# KiCad board maslab.kicad_pcb
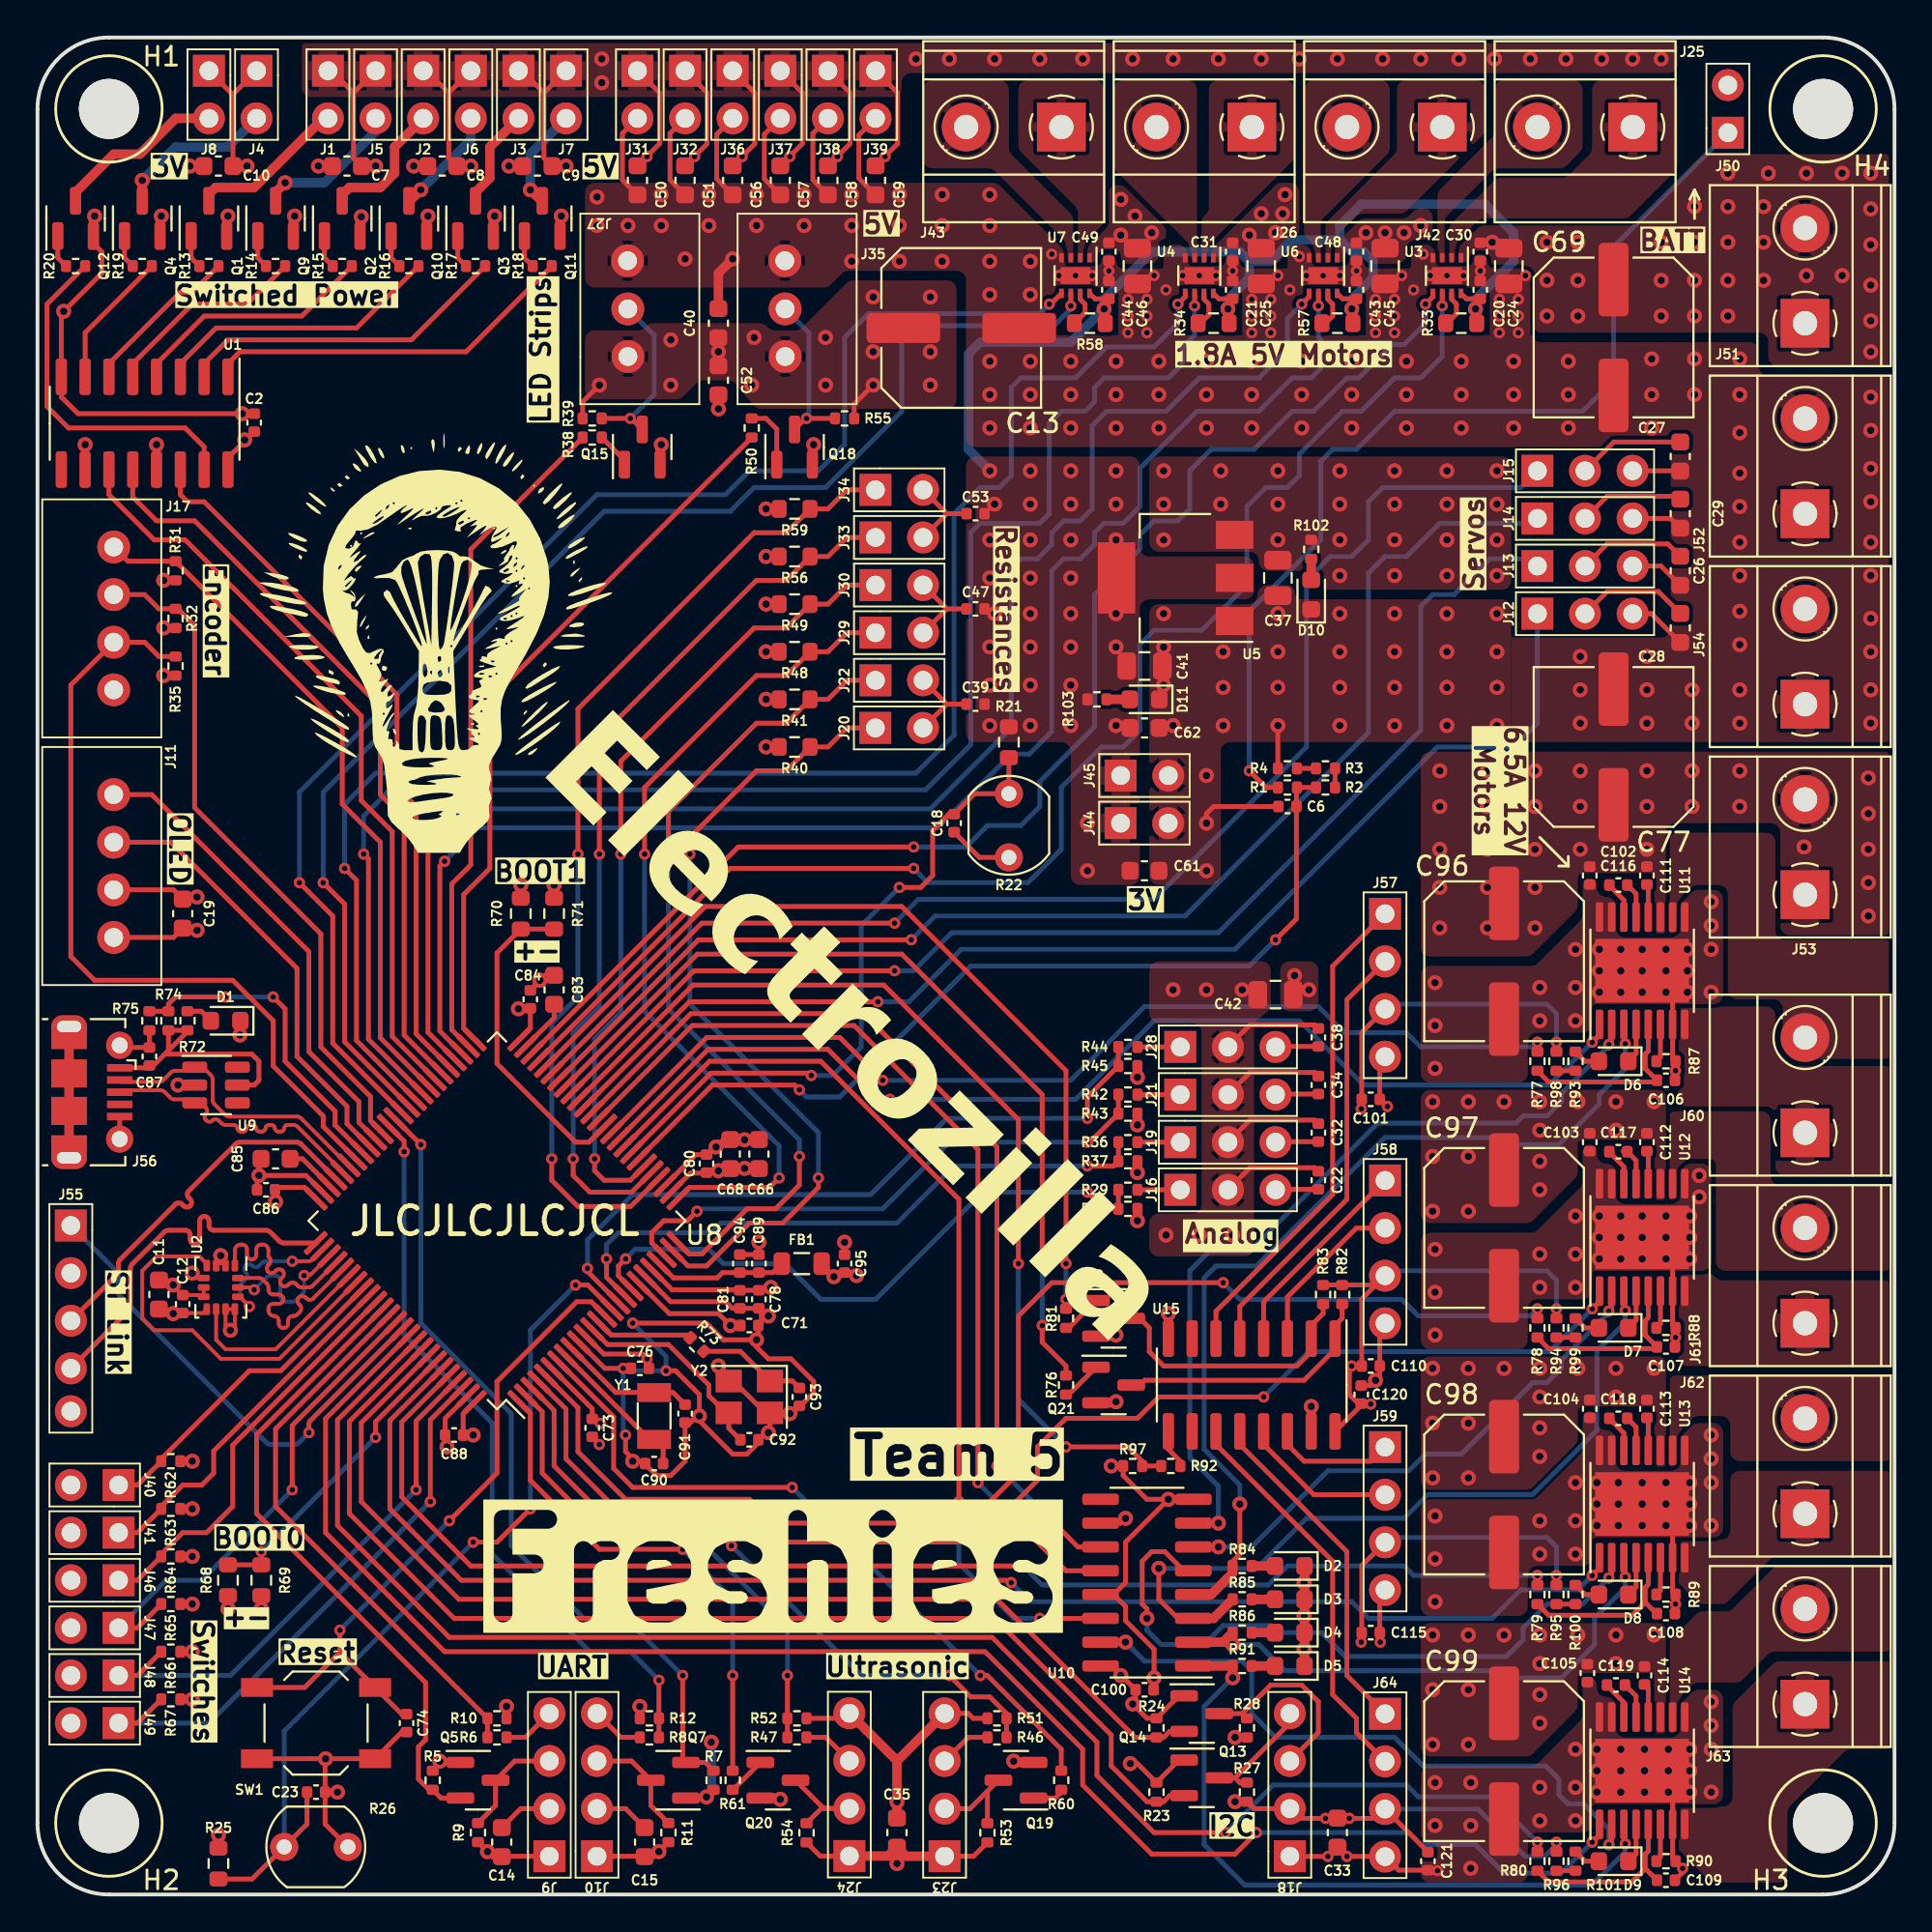
[diagram p0: board, top side]
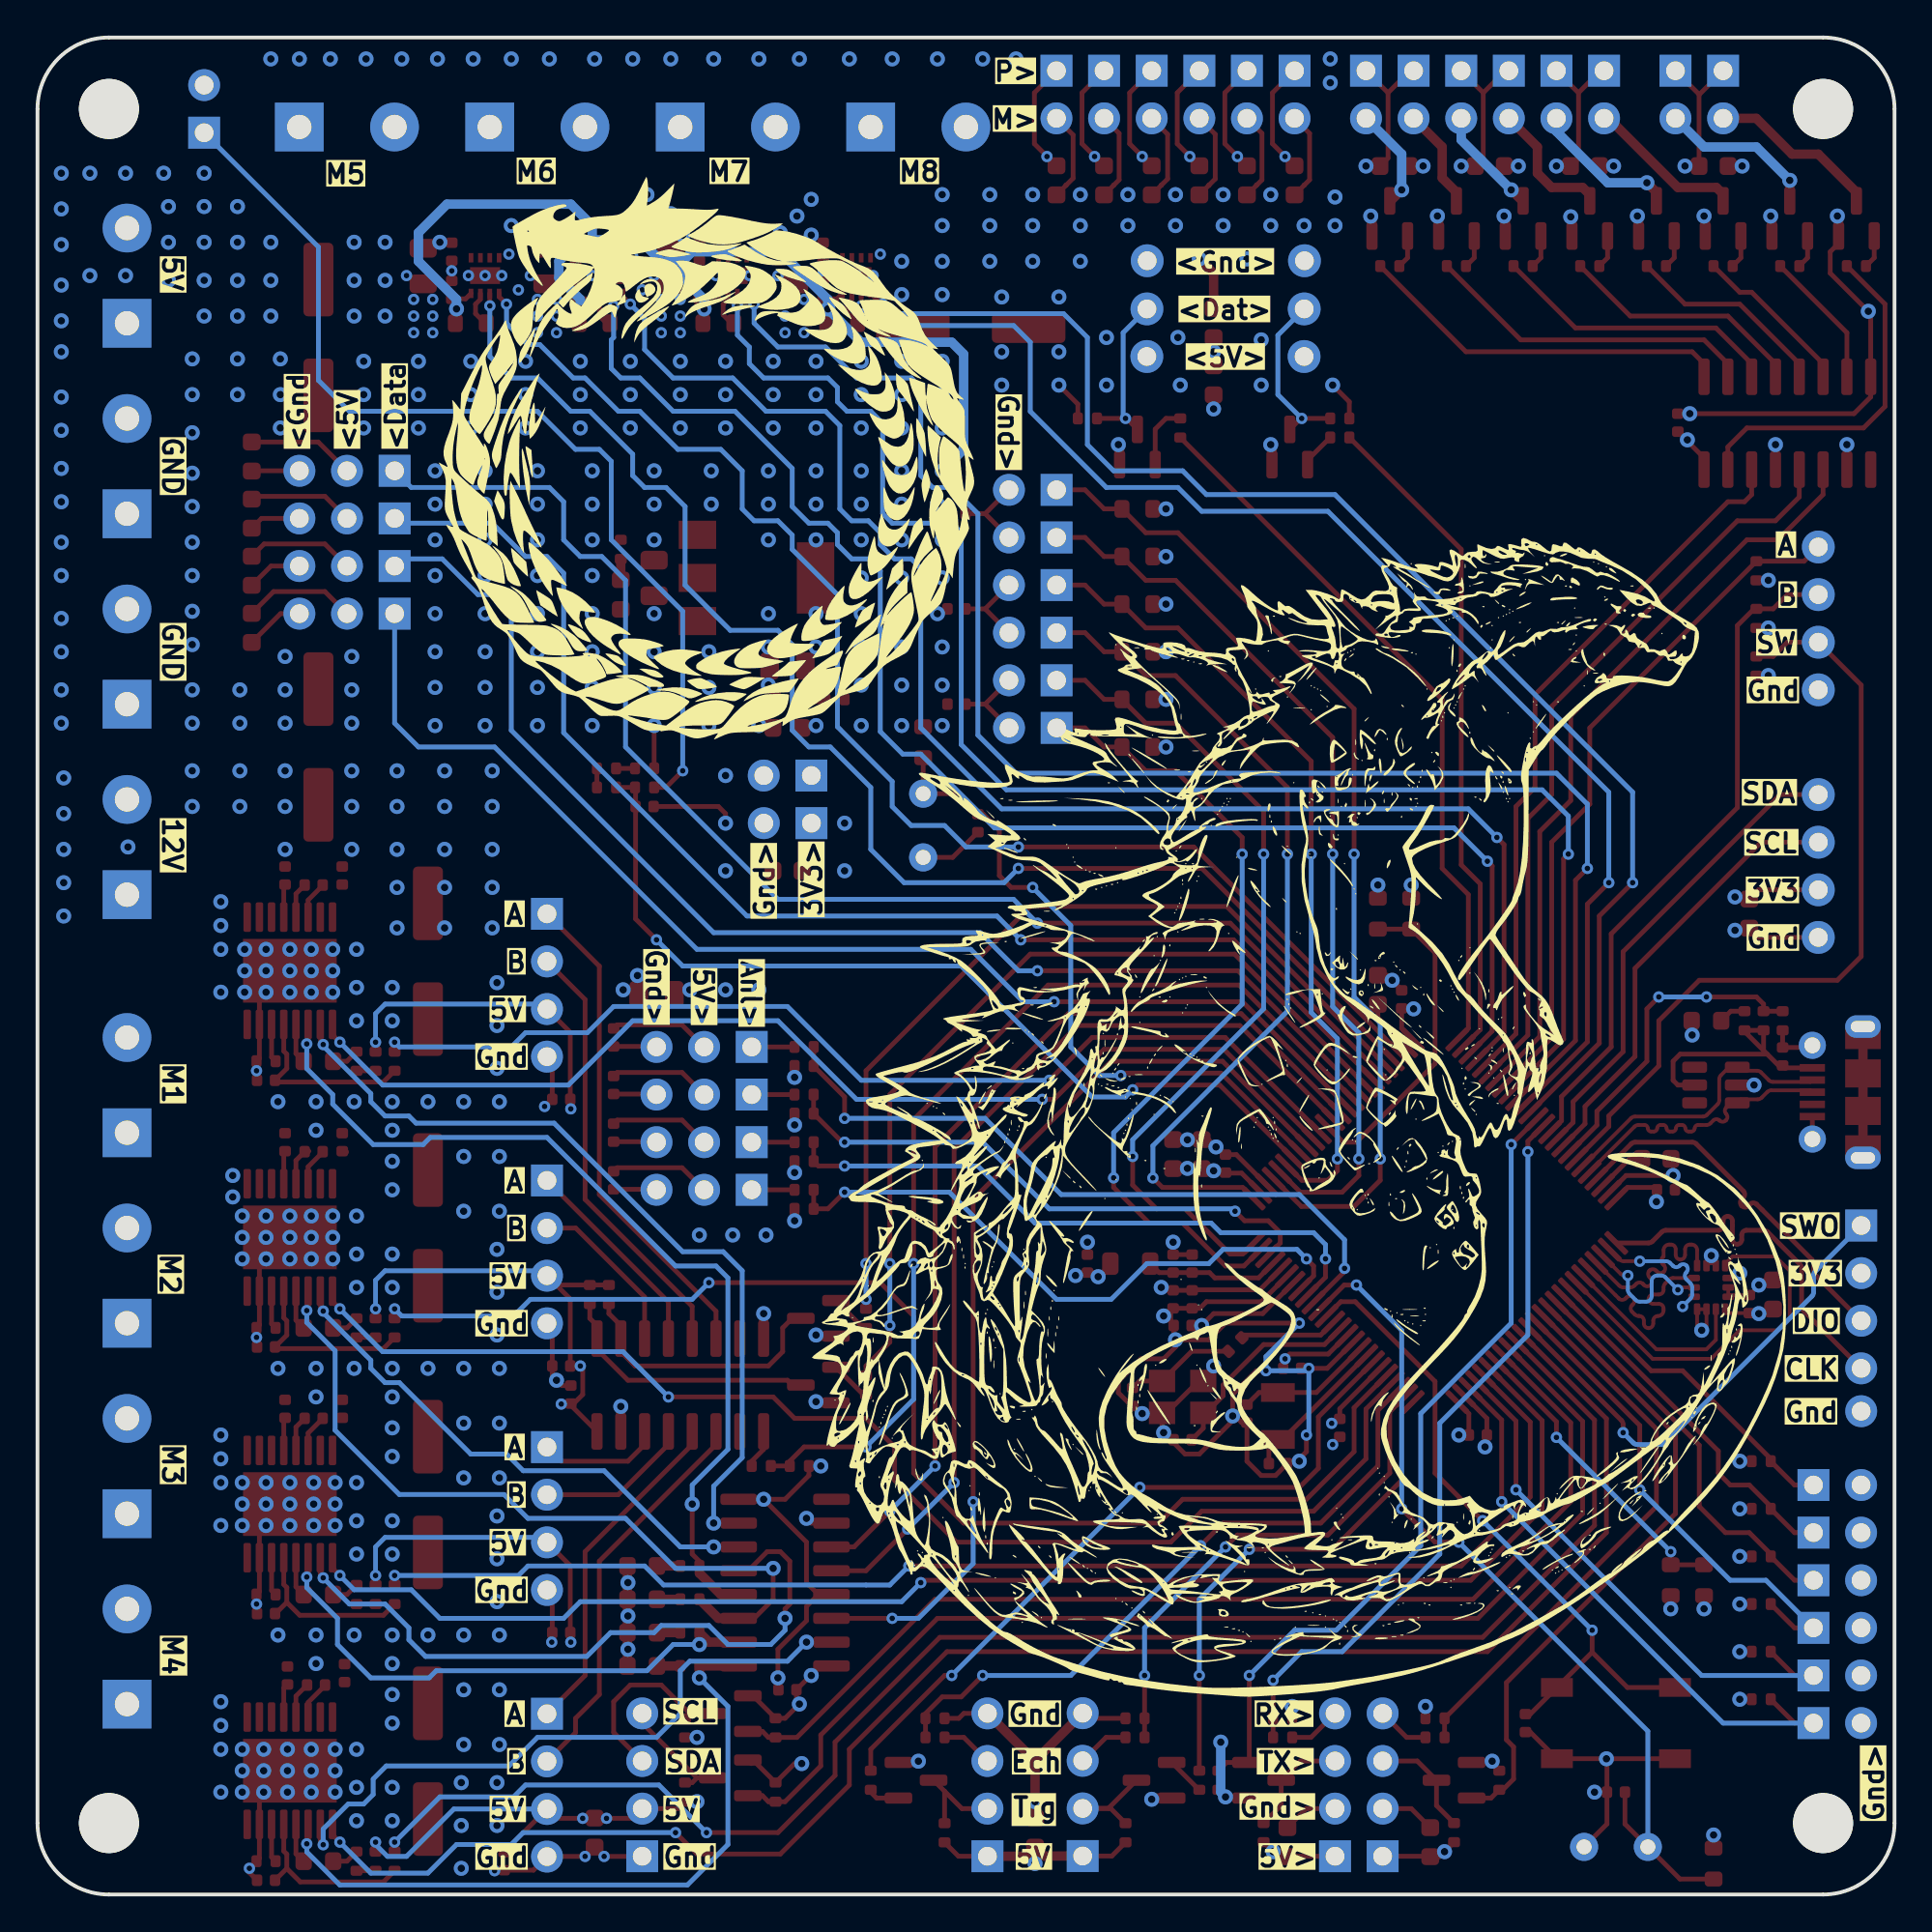
[diagram p1: board, bottom side, seen from below]

Outline 99.06 x 99.06 mm; copper layers: Top, In1.Cu (plane), In2.Cu (plane), Bottom. Coordinates in mm from the lower left corner of the outline.
Outline path: 0,95.25 arc(1.12,97.94) 3.81,99.06 95.25,99.06 arc(97.94,97.94) 99.06,95.25 99.06,3.81 arc(97.94,1.12) 95.25,0 3.81,0 arc(1.12,1.12) 0,3.81 0,95.25
Stack: Top 0.035mm / dielectric 0.2104mm FR4 er 4.4 / In1.Cu 0.0152mm / dielectric 1.065mm FR4 er 4.6 / In2.Cu 0.0152mm / dielectric 0.2104mm FR4 er 4.4 / Bottom 0.035mm

## Placement (name value [footprint] x y rotation side)
C2  100n  [C_0402_1005Metric]  11.56 78.51 90 top
C6  4.7n  [C_0402_1005Metric]  66.67 58.04 180 top
C7  2.2u  [C_0603_1608Metric]  16.51 92.2 180 top
C8  2.2u  [C_0603_1608Metric]  21.59 92.2 180 top
C9  2.2u  [C_0603_1608Metric]  26.67 92.2 180 top
C10  2.2u  [C_0603_1608Metric]  9.65 92.2 180 top
C11  2.2u  [C_0603_1608Metric]  6.48 32 90 top
C12  100n  [C_0402_1005Metric]  7.75 31.5 90 top
C13  100u  [C_Elec_8x6.2]  49.28 83.57 0 top
C14  2.2u  [C_0603_1608Metric]  24.76 2.79 90 top
C15  2.2u  [C_0603_1608Metric]  32.38 2.79 90 top
C18  4.7n  [C_0402_1005Metric]  48.9 57.15 270 top
C19  2.2u  [C_0603_1608Metric]  7.75 52.32 270 top
C20  100n  [C_0402_1005Metric]  76.96 85.6 90 top
C21  100n  [C_0402_1005Metric]  63.75 85.6 90 top
C22  100n  [C_0402_1005Metric]  68.33 38.1 270 top
C23  4.7n  [C_0402_1005Metric]  14.86 5.46 0 top
C24  22u  [C_0805_2012Metric]  78.49 86.87 270 top
C25  22u  [C_0805_2012Metric]  65.28 86.87 270 top
C26  2.2u  [C_0603_1608Metric]  87.63 70.61 270 top
C27  2.2u  [C_0603_1608Metric]  87.63 76.71 270 top
C28  2.2u  [C_0603_1608Metric]  87.63 67.56 270 top
C29  2.2u  [C_0603_1608Metric]  87.63 73.66 270 top
C30  100n  [C_0402_1005Metric]  76.96 87.63 270 top
C31  100n  [C_0402_1005Metric]  63.75 87.63 270 top
C32  100n  [C_0402_1005Metric]  68.33 40.64 270 top
C33  2.2u  [C_0603_1608Metric]  69.34 3.3 270 top
C34  100n  [C_0402_1005Metric]  68.33 43.18 270 top
C35  2.2u  [C_0603_1608Metric]  45.85 3.3 90 top
C37  22u  [C_0805_2012Metric]  66.17 70.23 270 top
C38  100n  [C_0402_1005Metric]  68.33 45.72 270 top
C39  4.7n  [C_0402_1005Metric]  50.04 63.5 180 top
C40  2.2u  [C_0603_1608Metric]  36.32 83.82 90 top
C41  22u  [C_0805_2012Metric]  59.06 65.53 0 top
C42  22u  [C_0805_2012Metric]  66.04 48.01 0 top
C43  100n  [C_0402_1005Metric]  70.36 85.6 90 top
C44  100n  [C_0402_1005Metric]  57.15 85.6 90 top
C45  22u  [C_0805_2012Metric]  71.88 86.87 270 top
C46  22u  [C_0805_2012Metric]  58.67 86.87 270 top
C47  4.7n  [C_0402_1005Metric]  50.04 68.58 180 top
C48  100n  [C_0402_1005Metric]  70.36 87.63 270 top
C49  100n  [C_0402_1005Metric]  57.15 87.63 270 top
C50  2.2u  [C_0603_1608Metric]  32 91.44 270 top
C51  2.2u  [C_0603_1608Metric]  34.54 91.44 270 top
C52  2.2u  [C_0603_1608Metric]  36.32 80.77 270 top
C53  4.7n  [C_0402_1005Metric]  50.04 73.66 180 top
C56  2.2u  [C_0603_1608Metric]  37.08 91.44 270 top
C57  2.2u  [C_0603_1608Metric]  39.62 91.44 270 top
C58  2.2u  [C_0603_1608Metric]  42.16 91.44 270 top
C59  2.2u  [C_0603_1608Metric]  44.7 91.44 270 top
C61  2.2u  [C_0603_1608Metric]  59.05 54.61 0 top
C62  2.2u  [C_0603_1608Metric]  59.06 62.23 0 top
C66  2.2u  [C_0603_1608Metric]  38.48 39.5 270 top
C68  2.2u  [C_0603_1608Metric]  36.96 39.5 270 top
C69  100u  [C_Elec_8x6.2]  84.07 83.06 270 top
C71  100n  [C_0402_1005Metric]  37.97 30.35 0 top
C73  100n  [C_0402_1005Metric]  29.59 24.89 270 top
C74  100n  [C_0402_1005Metric]  19.69 9.14 270 top
C76  100n  [C_0402_1005Metric]  32.13 28.07 180 top
C77  100u  [C_Elec_8x6.2]  84.07 61.21 90 top
C78  1u  [C_0402_1005Metric]  38.48 31.75 270 top
C80  100n  [C_0402_1005Metric]  35.69 38.99 270 top
C81  100n  [C_0402_1005Metric]  37.47 31.75 270 top
C83  2.2u  [C_0603_1608Metric]  27.56 48.26 90 top
C84  100n  [C_0402_1005Metric]  26.29 47.75 90 top
C85  2.2u  [C_0603_1608Metric]  12.7 39.24 180 top
C86  100n  [C_0402_1005Metric]  12.19 37.59 180 top
C87  1u  [C_0402_1005Metric]  5.97 44.7 90 top
C88  100n  [C_0402_1005Metric]  22.22 24.51 180 top
C89  100n  [C_0402_1005Metric]  38.48 33.66 90 top
C90  15p  [C_0402_1005Metric]  32.89 22.99 0 top
C91  15p  [C_0402_1005Metric]  34.54 25.65 90 top
C92  10p  [C_0402_1005Metric]  37.97 24.26 180 top
C93  10p  [C_0402_1005Metric]  40.64 26.54 90 top
C94  1u  [C_0402_1005Metric]  37.47 33.66 90 top
C95  1u  [C_0402_1005Metric]  43.05 33.66 90 top
C96  100u  [C_Elec_8x6.2]  78.23 49.78 270 top
C97  100u  [C_Elec_8x6.2]  78.23 35.56 270 top
C98  100u  [C_Elec_8x6.2]  78.23 21.34 270 top
C99  100u  [C_Elec_8x6.2]  78.23 7.11 270 top
C100  100n  [C_0402_1005Metric]  59.06 10.92 0 top
C101  100n  [C_0402_1005Metric]  71.12 42.42 0 top
C102  100n  [C_0402_1005Metric]  82.8 54.36 270 top
C103  100n  [C_0402_1005Metric]  82.8 40.13 270 top
C104  100n  [C_0402_1005Metric]  82.8 25.91 270 top
C105  100n  [C_0402_1005Metric]  82.68 11.81 270 top
C106  1u  [C_0402_1005Metric]  86.87 43.43 0 top
C107  1u  [C_0402_1005Metric]  86.87 29.21 0 top
C108  1u  [C_0402_1005Metric]  86.87 14.99 0 top
C109  1u  [C_0402_1005Metric]  86.87 0.76 0 top
C110  100n  [C_0402_1005Metric]  71.12 28.19 0 top
C111  100n  [C_0402_1005Metric]  85.85 54.36 270 top
C112  100n  [C_0402_1005Metric]  85.85 40.13 270 top
C113  100n  [C_0402_1005Metric]  85.85 25.91 270 top
C114  100n  [C_0402_1005Metric]  85.72 11.68 270 top
C115  100n  [C_0402_1005Metric]  71.12 13.97 0 top
C116  22n  [C_0402_1005Metric]  84.33 53.85 0 top
C117  22n  [C_0402_1005Metric]  84.33 39.62 0 top
C118  22n  [C_0402_1005Metric]  84.33 25.4 0 top
C119  22n  [C_0402_1005Metric]  84.2 11.18 0 top
C120  100n  [C_0402_1005Metric]  70.61 26.67 90 top
C121  100n  [C_0402_1005Metric]  74.17 1.78 270 top
D1  LED  [LED_0603_1608Metric]  10.03 46.61 180 top
D2  LED  [LED_0603_1608Metric]  66.8 17.53 180 top
D3  LED  [LED_0603_1608Metric]  66.8 15.75 180 top
D4  LED  [LED_0603_1608Metric]  66.8 13.97 180 top
D5  LED  [LED_0603_1608Metric]  66.8 12.19 180 top
D6  LED  [LED_0603_1608Metric]  84.07 44.45 180 top
D7  LED  [LED_0603_1608Metric]  84.07 30.23 180 top
D8  LED  [LED_0603_1608Metric]  84.07 16 180 top
D9  LED  [LED_0603_1608Metric]  84.07 1.78 180 top
D10  LED  [LED_0603_1608Metric]  67.94 69.34 90 top
D11  LED  [LED_0603_1608Metric]  59.06 63.75 180 top
FB1  FerriteBead  [L_0805_2012Metric]  40.77 33.66 0 top
G1  -  [LOGO]  21.21 66.93 0 top
G2  -  [LOGO]  31.75 41.91 180 bottom
G3  -  [LOGO]  63.37 76.58 180 bottom
H1  MountingHole  [MountingHole_3.2mm_M3]  3.81 95.25 0 top
H2  MountingHole  [MountingHole_3.2mm_M3]  3.81 3.81 0 top
H3  MountingHole  [MountingHole_3.2mm_M3]  95.25 3.81 0 top
H4  MountingHole  [MountingHole_3.2mm_M3]  95.25 95.25 0 top
J1  Conn_01x02_Pin  [Conn_Header_P2-2.54]  15.49 97.29 0 top
J2  Conn_01x02_Pin  [Conn_Header_P2-2.54]  20.57 97.29 0 top
J3  Conn_01x02_Pin  [Conn_Header_P2-2.54]  25.65 97.29 0 top
J4  Conn_01x02_Pin  [Conn_Header_P2-2.54]  11.68 97.29 0 top
J5  Conn_01x02_Pin  [Conn_Header_P2-2.54]  18.03 97.29 0 top
J6  Conn_01x02_Pin  [Conn_Header_P2-2.54]  23.11 97.29 0 top
J7  Conn_01x02_Pin  [Conn_Header_P2-2.54]  28.19 97.29 0 top
J8  Conn_01x02_Pin  [Conn_Header_P2-2.54]  9.14 97.29 0 top
J9  Conn_01x04_Pin  [Conn_Header_P4-2.54]  27.31 2.04 180 top
J10  Conn_01x04_Pin  [Conn_Header_P4-2.54]  29.84 2.04 180 top
J11  Conn_01x04_Pin  [Conn_JST_P4-2.54mm]  4.06 54.86 270 top
J12  Conn_01x03_Pin  [Conn_Header_P3-2.54]  80.01 68.33 90 top
J13  Conn_01x03_Pin  [Conn_Header_P3-2.54]  80.01 70.87 90 top
J14  Conn_01x03_Pin  [Conn_Header_P3-2.54]  80.01 73.41 90 top
J15  Conn_01x03_Pin  [Conn_Header_P3-2.54]  80.01 75.95 90 top
J16  Conn_01x03_Pin  [Conn_Header_P3-2.54]  60.96 37.59 90 top
J17  Conn_01x04_Pin  [Conn_JST_P4-2.54mm]  4.06 68.07 270 top
J18  Conn_01x04_Pin  [Conn_Header_P4-2.54]  66.8 2.04 180 top
J19  Conn_01x03_Pin  [Conn_Header_P3-2.54]  60.96 40.13 90 top
J20  Conn_01x02_Pin  [Conn_Header_P2-2.54]  44.69 62.23 90 top
J21  Conn_01x03_Pin  [Conn_Header_P3-2.54]  60.96 42.67 90 top
J22  Conn_01x02_Pin  [Conn_Header_P2-2.54]  44.7 64.77 90 top
J23  Conn_01x04_Pin  [Conn_Header_P4-2.54]  48.39 2.04 180 top
J24  Conn_01x04_Pin  [Conn_Header_P4-2.54]  43.31 2.05 180 top
J25  Screw_Terminal_01x02  [Conn_Screw_P2-5.08]  85.09 94.28 180 top
J26  Screw_Terminal_01x02  [Conn_Screw_P2-5.08]  64.78 94.28 180 top
J27  Conn_01x03_Pin  [Conn_JST_P3-2.54]  31.5 84.58 90 top
J28  Conn_01x03_Pin  [Conn_Header_P3-2.54]  60.96 45.21 90 top
J29  Conn_01x02_Pin  [Conn_Header_P2-2.54]  44.7 67.31 90 top
J30  Conn_01x02_Pin  [Conn_Header_P2-2.54]  44.7 69.85 90 top
J31  Conn_01x02_Pin  [Conn_Header_P2-2.54]  32 97.29 0 top
J32  Conn_01x02_Pin  [Conn_Header_P2-2.54]  34.54 97.29 0 top
J33  Conn_01x02_Pin  [Conn_Header_P2-2.54]  44.7 72.39 90 top
J34  Conn_01x02_Pin  [Conn_Header_P2-2.54]  44.7 74.93 90 top
J35  Conn_01x03_Pin  [Conn_JST_P3-2.54]  39.88 84.58 90 top
J36  Conn_01x02_Pin  [Conn_Header_P2-2.54]  37.08 97.29 0 top
J37  Conn_01x02_Pin  [Conn_Header_P2-2.54]  39.62 97.29 0 top
J38  Conn_01x02_Pin  [Conn_Header_P2-2.54]  42.16 97.29 0 top
J39  Conn_01x02_Pin  [Conn_Header_P2-2.54]  44.7 97.29 0 top
J40  Conn_01x02_Pin  [Conn_Header_P2-2.54]  4.32 21.84 270 top
J41  Conn_01x02_Pin  [Conn_Header_P2-2.54]  4.32 19.3 270 top
J42  Screw_Terminal_01x02  [Conn_Screw_P2-5.08]  74.94 94.28 180 top
J43  Screw_Terminal_01x02  [Conn_Screw_P2-5.08]  54.62 94.28 180 top
J44  Conn_01x02_Pin  [Conn_Header_P2-2.54]  57.78 57.15 90 top
J45  Conn_01x02_Pin  [Conn_Header_P2-2.54]  57.78 59.69 90 top
J46  Conn_01x02_Pin  [Conn_Header_P2-2.54]  4.32 16.76 270 top
J47  Conn_01x02_Pin  [Conn_Header_P2-2.54]  4.32 14.22 270 top
J48  Conn_01x02_Pin  [Conn_Header_P2-2.54]  4.32 11.68 270 top
J49  Conn_01x02_Pin  [Conn_Header_P2-2.54]  4.32 9.14 270 top
J50  Conn_01x02_Pin  [Conn_Header_P2-2.54]  90.17 93.98 180 top
J51  Screw_Terminal_01x02  [Conn_Screw_P2-5.08]  94.28 83.81 90 top
J52  Screw_Terminal_01x02  [Conn_Screw_P2-5.08]  94.28 73.66 90 top
J53  Screw_Terminal_01x02  [Conn_Screw_P2-5.08]  94.28 53.33 90 top
J54  Screw_Terminal_01x02  [Conn_Screw_P2-5.08]  94.28 63.49 90 top
J55  Conn_01x05_Pin  [Conn_Header_P5-2.54]  1.78 35.69 0 top
J56  USB_B_Micro  [USB_Micro-B_Molex-105017-0001]  2.92 42.8 270 top
J57  Conn_01x04_Pin  [Conn_Header_P4-2.54]  71.88 52.31 0 top
J58  Conn_01x04_Pin  [Conn_Header_P4-2.54]  71.88 38.09 0 top
J59  Conn_01x04_Pin  [Conn_Header_P4-2.54]  71.88 23.87 0 top
J60  Screw_Terminal_01x02  [Conn_Screw_P2-5.08]  94.28 40.63 90 top
J61  Screw_Terminal_01x02  [Conn_Screw_P2-5.08]  94.28 30.47 90 top
J62  Screw_Terminal_01x02  [Conn_Screw_P2-5.08]  94.28 20.31 90 top
J63  Screw_Terminal_01x02  [Conn_Screw_P2-5.08]  94.28 10.16 90 top
J64  Conn_01x04_Pin  [Conn_Header_P4-2.54]  71.88 9.64 0 top
Q1  AO3400A  [SOT-23]  9.14 89.41 90 top
Q2  AO3400A  [SOT-23]  16.26 89.41 90 top
Q3  AO3400A  [SOT-23]  23.37 89.41 90 top
Q4  AO3400A  [SOT-23]  5.59 89.41 90 top
Q5  AO3400A  [SOT-23]  23.5 6.1 0 top
Q7  AO3400A  [SOT-23]  33.66 6.1 180 top
Q9  AO3400A  [SOT-23]  12.7 89.41 90 top
Q10  AO3400A  [SOT-23]  19.81 89.41 90 top
Q11  AO3400A  [SOT-23]  26.92 89.41 90 top
Q12  AO3400A  [SOT-23]  2.03 89.41 90 top
Q13  AO3400A  [SOT-23]  62.1 6.22 0 top
Q14  AO3400A  [SOT-23]  62.1 9.65 0 top
Q15  AO3400A  [SOT-23]  32.26 77.22 90 top
Q18  AO3400A  [SOT-23]  40.39 77.22 90 top
Q19  AO3400A  [SOT-23]  52.2 6.1 180 top
Q20  AO3400A  [SOT-23]  39.5 6.1 0 top
Q21  AO3400A  [SOT-23]  57.4 27.18 0 top
Q22  AO3400A  [SOT-23]  57.4 30.73 0 top
R1  10k  [R_0402_1005Metric]  66.67 59.05 0 top
R2  510  [R_0402_1005Metric]  68.7 59.05 0 top
R3  510  [R_0402_1005Metric]  68.71 60.07 180 top
R4  510  [R_0402_1005Metric]  66.67 60.07 180 top
R5  10k  [R_0402_1005Metric]  21.08 6.1 270 top
R6  5.1k  [R_0402_1005Metric]  24.51 8.38 180 top
R7  10k  [R_0402_1005Metric]  36.07 6.1 90 top
R8  5.1k  [R_0402_1005Metric]  32.64 8.38 0 top
R9  10k  [R_0402_1005Metric]  23.5 3.3 90 top
R10  10k  [R_0402_1005Metric]  24.51 9.4 180 top
R11  10k  [R_0402_1005Metric]  33.66 3.3 90 top
R12  10k  [R_0402_1005Metric]  32.64 9.4 0 top
R13  510  [R_0402_1005Metric]  9.14 86.87 180 top
R14  510  [R_0402_1005Metric]  12.7 86.87 180 top
R15  510  [R_0402_1005Metric]  16.26 86.87 180 top
R16  510  [R_0402_1005Metric]  19.81 86.87 180 top
R17  510  [R_0402_1005Metric]  23.37 86.87 180 top
R18  510  [R_0402_1005Metric]  26.92 86.87 180 top
R19  510  [R_0402_1005Metric]  5.59 86.87 180 top
R20  510  [R_0402_1005Metric]  2.03 86.87 180 top
R21  0R  [R_0603_1608Metric]  51.82 61.47 270 top
R22  R_Photo  [R_LDR_5.1x4.3mm_P3.4mm_Vertical]  51.82 58.72 270 top
R23  10k  [R_0402_1005Metric]  59.69 5.46 270 top
R24  10k  [R_0402_1005Metric]  59.69 8.89 270 top
R25  0R  [R_0603_1608Metric]  9.65 1.65 270 top
R26  R_Photo  [R_LDR_5.1x4.3mm_P3.4mm_Vertical]  13.16 2.54 0 top
R27  10k  [R_0402_1005Metric]  64.52 5.46 90 top
R28  10k  [R_0402_1005Metric]  64.52 8.89 90 top
R29  5.1k  [R_0402_1005Metric]  58.17 37.59 180 top
R30  10k  [R_0402_1005Metric]  58.17 36.58 0 top
R31  10k  [R_0402_1005Metric]  7.37 70.61 90 top
R32  10k  [R_0402_1005Metric]  7.37 68.07 90 top
R33  0R  [R_0603_1608Metric]  75.95 83.82 180 top
R34  0R  [R_0603_1608Metric]  62.74 83.82 180 top
R35  10k  [R_0402_1005Metric]  7.37 65.53 90 top
R36  5.1k  [R_0402_1005Metric]  58.17 40.13 180 top
R37  10k  [R_0402_1005Metric]  58.17 39.12 0 top
R38  510  [R_0402_1005Metric]  29.59 77.72 0 top
R39  10k  [R_0402_1005Metric]  29.59 78.74 0 top
R40  0R  [R_0603_1608Metric]  40.39 61.21 0 top
R41  0R  [R_0603_1608Metric]  40.39 63.75 0 top
R42  5.1k  [R_0402_1005Metric]  58.17 42.67 180 top
R43  10k  [R_0402_1005Metric]  58.17 41.66 0 top
R44  5.1k  [R_0402_1005Metric]  58.17 45.21 180 top
R45  10k  [R_0402_1005Metric]  58.17 44.2 0 top
R46  5.1k  [R_0402_1005Metric]  51.18 8.38 180 top
R47  5.1k  [R_0402_1005Metric]  40.51 8.38 0 top
R48  0R  [R_0603_1608Metric]  40.39 66.29 0 top
R49  0R  [R_0603_1608Metric]  40.39 68.83 0 top
R50  510  [R_0402_1005Metric]  38.1 78.23 90 top
R51  10k  [R_0402_1005Metric]  51.18 9.4 0 top
R52  10k  [R_0402_1005Metric]  40.51 9.4 180 top
R53  10k  [R_0402_1005Metric]  50.67 3.29 270 top
R54  10k  [R_0402_1005Metric]  41.02 3.29 270 top
R55  10k  [R_0402_1005Metric]  43.05 78.74 180 top
R56  0R  [R_0603_1608Metric]  40.39 71.37 0 top
R57  0R  [R_0603_1608Metric]  69.34 83.82 180 top
R58  0R  [R_0603_1608Metric]  56.13 83.82 180 top
R59  0R  [R_0603_1608Metric]  40.39 73.91 0 top
R60  510  [R_0402_1005Metric]  54.61 6.1 90 top
R61  510  [R_0402_1005Metric]  37.08 6.1 90 top
R62  10k  [R_0402_1005Metric]  7.11 23.11 180 top
R63  10k  [R_0402_1005Metric]  7.11 20.57 180 top
R64  10k  [R_0402_1005Metric]  7.11 18.03 180 top
R65  10k  [R_0402_1005Metric]  7.11 15.49 180 top
R66  10k  [R_0402_1005Metric]  7.11 12.95 180 top
R67  10k  [R_0402_1005Metric]  7.11 10.41 180 top
R68  0R  [R_0603_1608Metric]  10.16 16.76 90 top
R69  0R  [R_0603_1608Metric]  11.94 16.76 270 top
R70  0R  [R_0603_1608Metric]  25.78 52.32 270 top
R71  0R  [R_0603_1608Metric]  27.56 52.32 90 top
R72  510  [R_0402_1005Metric]  8 46.61 90 top
R73  510  [R_0402_1005Metric]  35.18 29.34 135 top
R74  10k  [R_0402_1005Metric]  6.98 46.61 90 top
R75  10k  [R_0402_1005Metric]  5.97 46.61 270 top
R76  510  [R_0402_1005Metric]  54.86 27.18 270 top
R77  510  [R_0402_1005Metric]  80.01 44.45 270 top
R78  510  [R_0402_1005Metric]  80.01 30.23 270 top
R79  510  [R_0402_1005Metric]  80.01 16 270 top
R80  510  [R_0402_1005Metric]  80.01 1.78 270 top
R81  510  [R_0402_1005Metric]  54.86 30.73 270 top
R82  10k  [R_0402_1005Metric]  69.6 32 270 top
R83  10k  [R_0402_1005Metric]  68.58 32 270 top
R84  510  [R_0402_1005Metric]  64.26 17.53 0 top
R85  510  [R_0402_1005Metric]  64.26 15.75 0 top
R86  510  [R_0402_1005Metric]  64.26 13.97 0 top
R87  510  [R_0402_1005Metric]  86.87 44.45 0 top
R88  510  [R_0402_1005Metric]  86.87 30.23 0 top
R89  510  [R_0402_1005Metric]  86.87 16 0 top
R90  510  [R_0402_1005Metric]  86.87 1.78 0 top
R91  510  [R_0402_1005Metric]  64.26 12.19 0 top
R92  5.1k  [R_0402_1005Metric]  60.45 22.86 0 top
R93  510  [R_0402_1005Metric]  82.04 44.45 90 top
R94  510  [R_0402_1005Metric]  81.03 30.23 90 top
R95  510  [R_0402_1005Metric]  81.03 16 90 top
R96  510  [R_0402_1005Metric]  81.03 1.78 90 top
R97  10k  [R_0402_1005Metric]  58.42 22.86 180 top
R98  510  [R_0402_1005Metric]  81.03 44.45 90 top
R99  510  [R_0402_1005Metric]  82.04 30.23 90 top
R100  510  [R_0402_1005Metric]  82.04 16 90 top
R101  510  [R_0402_1005Metric]  82.04 1.78 90 top
R102  510  [R_0402_1005Metric]  67.94 71.75 270 top
R103  510  [R_0402_1005Metric]  56.51 63.75 0 top
SW1  SW_Push  [SW_SPST_TL3342]  14.86 9.14 0 top
U1  74HC595  [SOIC-16_3.9x9.9mm_P1.27mm]  5.71 78.49 270 top
U2  ICM-42670-P  [LGA-14_3x2.5mm_P0.5mm_LayoutBorder3x4y]  9.78 32.38 270 top
U3  DRV8837  [WSON-8-1EP_2x2mm_P0.5mm_EP0.9x1.6mm]  75.18 86.36 270 top
U4  DRV8837  [WSON-8-1EP_2x2mm_P0.5mm_EP0.9x1.6mm]  61.98 86.36 270 top
U5  AMS1117-3.3  [SOT-223-3_TabPin2]  60.71 70.23 180 top
U6  DRV8837  [WSON-8-1EP_2x2mm_P0.5mm_EP0.9x1.6mm]  68.58 86.36 270 top
U7  DRV8837  [WSON-8-1EP_2x2mm_P0.5mm_EP0.9x1.6mm]  55.37 86.36 270 top
U8  STM32F407VETx  [LQFP-100_14x14mm_P0.5mm]  24.51 35.94 135 top
U9  SRV05-4  [SOT-23-6]  9.52 43.18 0 top
U10  74HC595  [SOIC-16_3.9x9.9mm_P1.27mm]  59.18 16.64 180 top
U11  DRV8874PWPR  [HTSSOP-16-1EP_4.4x5mm_P0.65mm_EP3.4x5mm_Mask2.46x2.31mm]  85.6 49.28 90 top
U12  DRV8874PWPR  [HTSSOP-16-1EP_4.4x5mm_P0.65mm_EP3.4x5mm_Mask2.46x2.31mm]  85.6 35.05 90 top
U13  DRV8874PWPR  [HTSSOP-16-1EP_4.4x5mm_P0.65mm_EP3.4x5mm_Mask2.46x2.31mm]  85.6 20.83 90 top
U14  DRV8874PWPR  [HTSSOP-16-1EP_4.4x5mm_P0.65mm_EP3.4x5mm_Mask2.46x2.31mm]  85.6 6.6 90 top
U15  74HC165  [SOIC-16_3.9x9.9mm_P1.27mm]  64.77 27.18 270 top
Y1  32.768kHz  [Crystal_SMD_3215-2Pin_3.2x1.5mm]  32.89 25.53 90 top
Y2  16MHz  [Crystal_SMD_3225-4Pin_3.2x2.5mm]  37.97 26.54 180 top
